# Altium PCB carboard.PcbDoc (part 2 of 4) (continued)
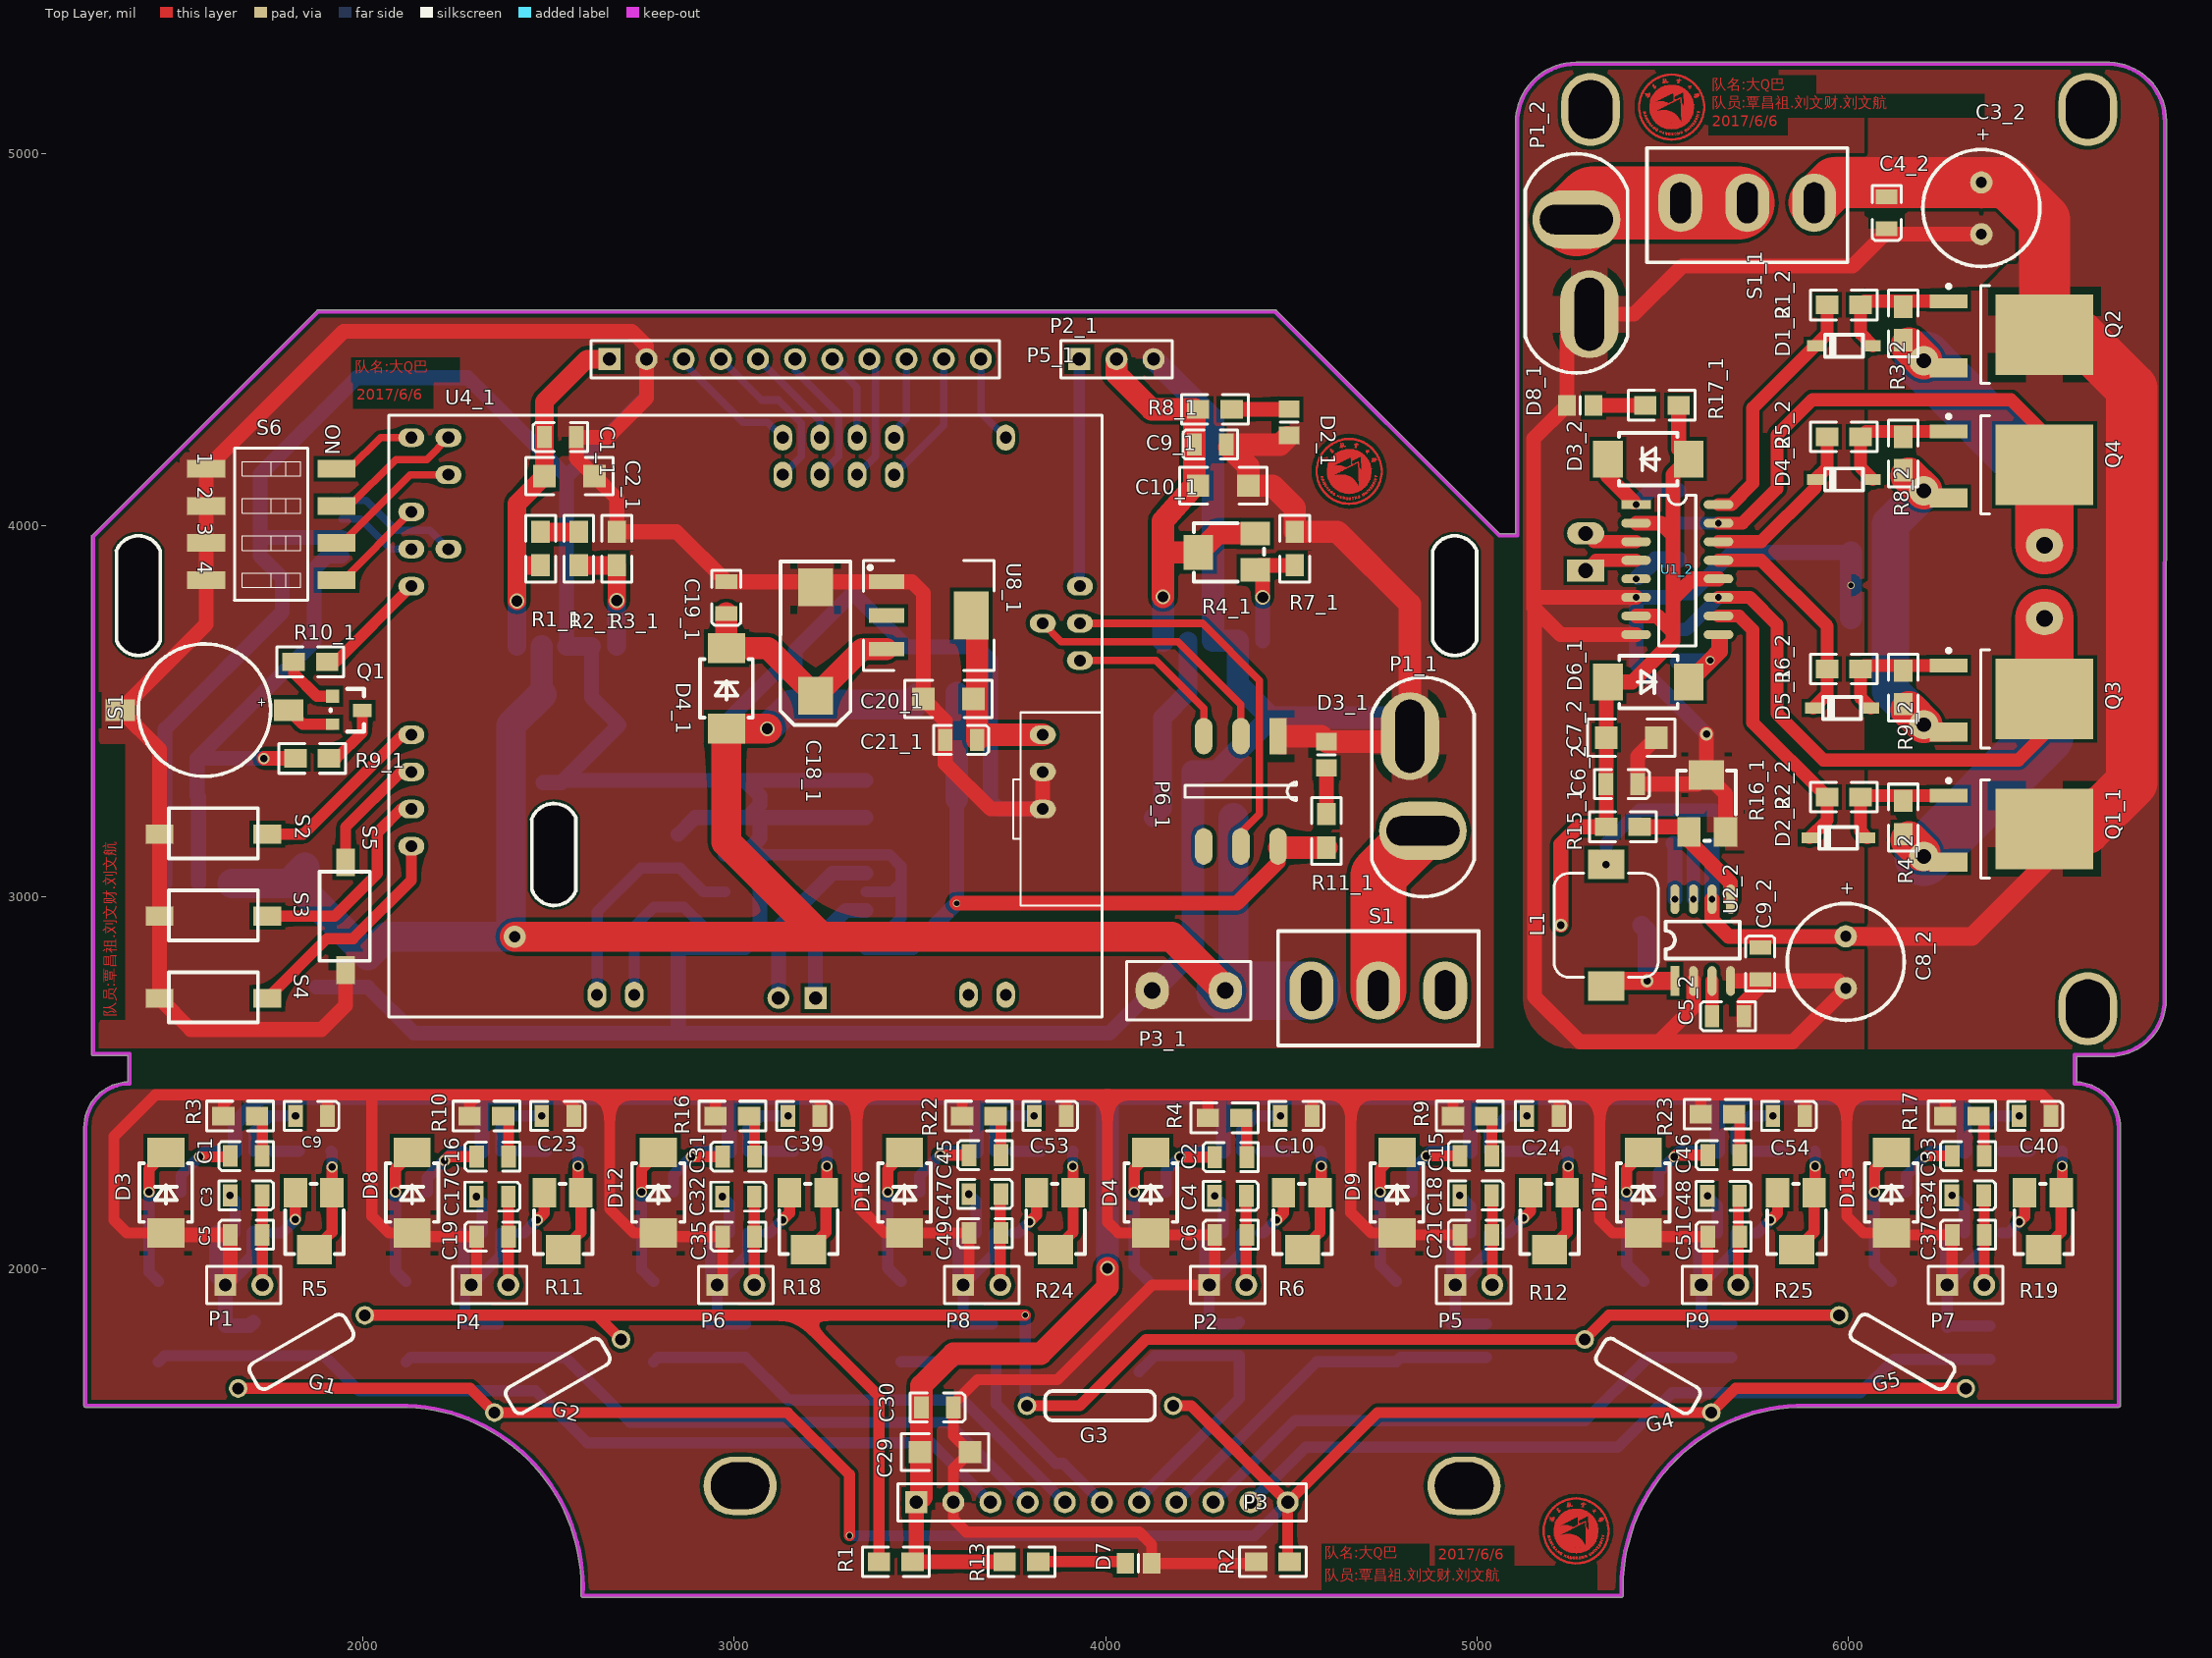
[diagram p0: Top Layer view]
## Nets (pads, with @x,y where several pads share a name; then routed paths per layer and width w, separated by ;. In a path a pad name is that pad's centre, name@x,y a point inside that pad or via, vN(x,y) a via of type N, cw(c..) or ccw(c..) an arc to the next point about the centre after c; other vN are vias at no path point) (continued)
; 4675.02,4169.8 4678.02,4169.8 ; 4675.02,4215.8 4677.02,4215.8 ; 4675.02,4216.8 4677.02,4216.8 ; 4675.02,4217.8 4677.02,4217.8 ; 4675.02,4221.8 4677.02,4221.8 ; 4675.02,4222.8 4676.02,4222.8 ; 4676.02,4063.8 4690.02,4063.8 ; 4676.02,4074.8 4677.02,4074.8 ; 4676.02,4218.8 4677.02,4218.8 ; 4676.02,4228.8 4690.02,4228.8 ; 4677.02,4170.8 4681.02,4170.8 ; 4679.02,4064.8 4692.02,4064.8 ; 4679.02,4075.8 4684.02,4075.8 ; 4679.02,4076.8 4680.02,4076.8 ; 4679.02,4077.8 4680.02,4077.8 ; 4679.02,4078.8 4680.02,4078.8 ; 4679.02,4079.8 4680.02,4079.8 ; 4679.02,4171.8 4681.02,4171.8 ; 4679.02,4217.8 4681.02,4217.8 ; 4679.02,4218.8 4681.02,4218.8 ; 4679.02,4227.8 4692.02,4227.8 ; 4680.02,4158.8 4682.02,4158.8 ; 4680.02,4160.8 4682.02,4160.8 ; 4680.02,4161.8 4682.02,4161.8 ; 4680.02,4162.8 4682.02,4162.8 ; 4680.02,4163.8 4682.02,4163.8 ; 4680.02,4164.8 4682.02,4164.8 ; 4680.02,4165.8 4682.02,4165.8 ; 4680.02,4166.8 4682.02,4166.8 ; 4680.02,4167.8 4682.02,4167.8 ; 4680.02,4168.8 4681.02,4168.8 ; 4680.02,4169.8 4681.02,4169.8 ; 4681.02,4074.8 4682.02,4074.8 ; 4681.02,4080.8 4683.02,4080.8 ; 4681.02,4121.8 4710.02,4121.8 ; 4681.02,4122.8 4710.02,4122.8 ; 4681.02,4123.8 4710.02,4123.8 ; 4681.02,4124.8 4712.02,4124.8 ; 4681.02,4125.8 4711.02,4125.8 ; 4681.02,4126.8 4712.02,4126.8 ; 4681.02,4127.8 4712.02,4127.8 ; 4681.02,4128.8 4712.02,4128.8 ; 4681.02,4129.8 4712.02,4129.8 ; 4681.02,4130.8 4714.02,4130.8 ; 4681.02,4131.8 4713.02,4131.8 ; 4681.02,4132.8 4713.02,4132.8 ; 4681.02,4133.8 4714.02,4133.8 ; 4681.02,4134.8 4714.02,4134.8 ; 4681.02,4135.8 4714.02,4135.8 ; 4681.02,4136.8 4714.02,4136.8 ; 4681.02,4137.8 4714.02,4137.8 ; 4681.02,4138.8 4714.02,4138.8 ; 4681.02,4139.8 4714.02,4139.8 ; 4681.02,4140.8 4715.02,4140.8 ; 4681.02,4141.8 4715.02,4141.8 ; 4681.02,4142.8 4715.02,4142.8 ; 4681.02,4143.8 4715.02,4143.8 ; 4681.02,4144.8 4715.02,4144.8 ; 4681.02,4145.8 4715.02,4145.8 ; 4681.02,4146.8 4715.02,4146.8 ; 4681.02,4147.8 4688.02,4147.8 ; 4681.02,4148.8 4688.02,4148.8 ; 4681.02,4149.8 4687.02,4149.8 ; 4681.02,4150.8 4686.02,4150.8 ; 4681.02,4151.8 4686.02,4151.8 ; 4681.02,4152.8 4685.02,4152.8 ; 4681.02,4153.8 4684.02,4153.8 ; 4681.02,4154.8 4683.02,4154.8 ; 4681.02,4155.8 4683.02,4155.8 ; 4681.02,4156.8 4682.02,4156.8 ; 4681.02,4157.8 4682.02,4157.8 ; 4681.02,4159.8 4682.02,4159.8 ; 4682.02,4077.8 4685.02,4077.8 ; 4682.02,4104.8 4698.02,4104.8 ; 4682.02,4105.8 4699.02,4105.8 ; 4682.02,4106.8 4700.02,4106.8 ; 4682.02,4107.8 4701.02,4107.8 ; 4682.02,4108.8 4701.02,4108.8 ; 4682.02,4109.8 4703.02,4109.8 ; 4682.02,4110.8 4703.02,4110.8 ; 4682.02,4111.8 4704.02,4111.8 ; 4682.02,4112.8 4705.02,4112.8 ; 4682.02,4113.8 4705.02,4113.8 ; 4682.02,4114.8 4706.02,4114.8 ; 4682.02,4115.8 4707.02,4115.8 ; 4682.02,4116.8 4707.02,4116.8 ; 4682.02,4117.8 4709.02,4117.8 ; 4682.02,4118.8 4708.02,4118.8 ; 4682.02,4119.8 4709.02,4119.8 ; 4682.02,4120.8 4709.02,4120.8 ; 4683.02,4065.8 4694.02,4065.8 ; 4683.02,4076.8 4685.02,4076.8 ; 4683.02,4078.8 4684.02,4078.8 ; 4683.02,4226.8 4694.02,4226.8 ; 4685.02,4066.8 4696.02,4066.8 ; 4685.02,4225.8 4696.02,4225.8 ; 4688.02,4067.8 4698.02,4067.8 ; 4688.02,4169.8 4710.02,4169.8 ; 4688.02,4170.8 4710.02,4170.8 ; 4688.02,4171.8 4709.02,4171.8 ; 4688.02,4172.8 4709.02,4172.8 ; 4688.02,4173.8 4708.02,4173.8 ; 4688.02,4174.8 4708.02,4174.8 ; 4688.02,4175.8 4707.02,4175.8 ; 4688.02,4176.8 4707.02,4176.8 ; 4688.02,4177.8 4706.02,4177.8 ; 4688.02,4178.8 4705.02,4178.8 ; 4688.02,4179.8 4705.02,4179.8 ; 4688.02,4180.8 4704.02,4180.8 ; 4688.02,4181.8 4703.02,4181.8 ; 4688.02,4182.8 4702.02,4182.8 ; 4688.02,4183.8 4701.02,4183.8 ; 4688.02,4184.8 4701.02,4184.8 ; 4688.02,4185.8 4700.02,4185.8 ; 4688.02,4186.8 4699.02,4186.8 ; 4688.02,4224.8 4698.02,4224.8 ; 4689.02,4147.8 4715.02,4147.8 ; 4689.02,4148.8 4715.02,4148.8 ; 4689.02,4149.8 4715.02,4149.8 ; 4689.02,4150.8 4715.02,4150.8 ; 4689.02,4151.8 4715.02,4151.8 ; 4689.02,4152.8 4716.02,4152.8 ; 4689.02,4153.8 4714.02,4153.8 ; 4689.02,4154.8 4714.02,4154.8 ; 4689.02,4155.8 4714.02,4155.8 ; 4689.02,4156.8 4714.02,4156.8 ; 4689.02,4157.8 4714.02,4157.8 ; 4689.02,4158.8 4714.02,4158.8 ; 4689.02,4159.8 4714.02,4159.8 ; 4689.02,4160.8 4713.02,4160.8 ; 4689.02,4161.8 4713.02,4161.8 ; 4689.02,4162.8 4712.02,4162.8 ; 4689.02,4163.8 4713.02,4163.8 ; 4689.02,4164.8 4712.02,4164.8 ; 4689.02,4165.8 4712.02,4165.8 ; 4689.02,4166.8 4712.02,4166.8 ; 4689.02,4167.8 4711.02,4167.8 ; 4689.02,4168.8 4711.02,4168.8 ; 4690.02,4068.8 4699.02,4068.8 ; 4690.02,4082.8 4692.02,4082.8 ; 4690.02,4083.8 4691.02,4083.8 ; 4690.02,4084.8 4691.02,4084.8 ; 4690.02,4223.8 4699.02,4223.8 ; 4691.02,4081.8 4692.02,4081.8 ; 4692.02,4080.8 4695.02,4080.8 ; 4693.02,4069.8 4702.02,4069.8 ; 4693.02,4085.8 4695.02,4085.8 ; 4693.02,4086.8 4694.02,4086.8 ; 4693.02,4222.8 4701.02,4222.8 ; 4694.02,4070.8 4703.02,4070.8 ; 4694.02,4083.8 4696.02,4083.8 ; 4694.02,4084.8 4696.02,4084.8 ; 4694.02,4221.8 4703.02,4221.8 ; 4695.02,4081.8 4696.02,4081.8 ; 4695.02,4082.8 4696.02,4082.8 ; 4696.02,4088.8 4700.02,4088.8 ; 4697.02,4071.8 4705.02,4071.8 ; 4697.02,4087.8 4698.02,4087.8 ; 4697.02,4102.8 4698.02,4102.8 ; 4697.02,4220.8 4705.02,4220.8 ; 4698.02,4072.8 4706.02,4072.8 ; 4698.02,4085.8 4700.02,4085.8 ; 4698.02,4086.8 4699.02,4086.8 ; 4698.02,4219.8 4706.02,4219.8 ; 4699.02,4073.8 4707.02,4073.8 ; 4699.02,4084.8 4700.02,4084.8 ; 4699.02,4087.8 4701.02,4087.8 ; 4699.02,4218.8 4707.02,4218.8 ; 4700.02,4090.8 4701.02,4090.8 ; 4700.02,4091.8 4701.02,4091.8 ; 4700.02,4198.8 4703.02,4198.8 ; 4700.02,4199.8 4708.02,4199.8 ; 4701.02,4074.8 4709.02,4074.8 ; 4701.02,4088.8 4703.02,4088.8 ; 4701.02,4089.8 4702.02,4089.8 ; 4701.02,4201.8 4703.02,4201.8 ; 4701.02,4202.8 4702.02,4202.8 ; 4701.02,4217.8 4709.02,4217.8 ; 4702.02,4086.8 4703.02,4086.8 ; 4702.02,4087.8 4704.02,4087.8 ; 4702.02,4108.8 4703.02,4108.8 ; 4703.02,4075.8 4710.02,4075.8 ; 4703.02,4093.8 4705.02,4093.8 ; 4703.02,4094.8 4704.02,4094.8 ; 4703.02,4194.8 4704.02,4194.8 ; 4703.02,4195.8 4704.02,4195.8 ; 4703.02,4196.8 4704.02,4196.8 ; 4703.02,4200.8 4706.02,4200.8 ; 4703.02,4216.8 4710.02,4216.8 ; 4704.02,4076.8 4712.02,4076.8 ; 4704.02,4092.8 4705.02,4092.8 ; 4705.02,4091.8 4706.02,4091.8 ; 4705.02,4201.8 4706.02,4201.8 ; 4705.02,4214.8 4712.02,4214.8 ; 4705.02,4215.8 4711.02,4215.8 ; 4706.02,4077.8 4712.02,4077.8 ; 4706.02,4090.8 4708.02,4090.8 ; 4706.02,4096.8 4708.02,4096.8 ; 4706.02,4198.8 4708.02,4198.8 ; 4706.02,4202.8 4708.02,4202.8 ; 4707.02,4095.8 4710.02,4095.8 ; 4707.02,4203.8 4708.02,4203.8 ; 4707.02,4213.8 4714.02,4213.8 ; 4708.02,4078.8 4714.02,4078.8 ; 4708.02,4079.8 4714.02,4079.8 ; 4708.02,4099.8 4710.02,4099.8 ; 4708.02,4212.8 4715.02,4212.8 ; 4709.02,4094.8 4712.02,4094.8 ; 4709.02,4098.8 4710.02,4098.8 ; 4710.02,4080.8 4717.02,4080.8 ; 4710.02,4096.8 4711.02,4096.8 ; 4710.02,4097.8 4711.02,4097.8 ; 4710.02,4211.8 4716.02,4211.8 ; 4711.02,4081.8 4717.02,4081.8 ; 4711.02,4095.8 4712.02,4095.8 ; 4711.02,4102.8 4712.02,4102.8 ; 4711.02,4210.8 4717.02,4210.8 ; 4712.02,4082.8 4718.02,4082.8 ; 4712.02,4101.8 4714.02,4101.8 ; 4712.02,4103.8 4713.02,4103.8 ; 4712.02,4209.8 4719.02,4209.8 ; 4713.02,4083.8 4719.02,4083.8 ; 4713.02,4100.8 4715.02,4100.8 ; 4713.02,4104.8 4714.02,4104.8 ; 4713.02,4208.8 4719.02,4208.8 ; 4714.02,4084.8 4720.02,4084.8 ; 4714.02,4099.8 4716.02,4099.8 ; 4714.02,4102.8 4715.02,4102.8 ; 4714.02,4207.8 4720.02,4207.8 ; 4715.02,4085.8 4721.02,4085.8 ; 4715.02,4098.8 4716.02,4098.8 ; 4715.02,4107.8 4717.02,4107.8 ; 4715.02,4108.8 4716.02,4108.8 ; 4715.02,4173.8 4716.02,4173.8 ; 4715.02,4206.8 4721.02,4206.8 ; 4716.02,4086.8 4722.02,4086.8 ; 4716.02,4100.8 4717.02,4100.8 ; 4716.02,4106.8 4719.02,4106.8 ; 4716.02,4109.8 4717.02,4109.8 ; 4716.02,4172.8 4721.02,4172.8 ; 4716.02,4205.8 4722.02,4205.8 ; 4717.02,4087.8 4723.02,4087.8 ; 4717.02,4101.8 4718.02,4101.8 ; 4717.02,4110.8 4719.02,4110.8 ; 4717.02,4171.8 4718.02,4171.8 ; 4717.02,4174.8 4720.02,4174.8 ; 4717.02,4175.8 4718.02,4175.8 ; 4717.02,4179.8 4720.02,4179.8 ; 4717.02,4204.8 4723.02,4204.8 ; 4718.02,4088.8 4724.02,4088.8 ; 4718.02,4105.8 4721.02,4105.8 ; 4718.02,4107.8 4719.02,4107.8 ; 4718.02,4108.8 4722.02,4108.8 ; 4718.02,4109.8 4719.02,4109.8 ; 4718.02,4173.8 4721.02,4173.8 ; 4718.02,4180.8 4720.02,4180.8 ; 4718.02,4203.8 4723.02,4203.8 ; 4719.02,4089.8 4725.02,4089.8 ; 4719.02,4104.8 4720.02,4104.8 ; 4719.02,4113.8 4722.02,4113.8 ; 4719.02,4114.8 4720.02,4114.8 ; 4719.02,4115.8 4720.02,4115.8 ; 4719.02,4176.8 4722.02,4176.8 ; 4719.02,4202.8 4725.02,4202.8 ; 4720.02,4090.8 4725.02,4090.8 ; 4720.02,4116.8 4722.02,4116.8 ; 4720.02,4201.8 4725.02,4201.8 ; 4721.02,4091.8 4726.02,4091.8 ; 4721.02,4092.8 4727.02,4092.8 ; 4721.02,4107.8 4722.02,4107.8 ; 4721.02,4114.8 4723.02,4114.8 ; 4721.02,4120.8 4724.02,4120.8 ; 4721.02,4171.8 4722.02,4171.8 ; 4721.02,4174.8 4726.02,4174.8 ; 4721.02,4175.8 4726.02,4175.8 ; 4721.02,4178.8 4730.02,4178.8 ; 4721.02,4179.8 4722.02,4179.8 ; 4721.02,4180.8 4723.02,4180.8 ; 4721.02,4199.8 4727.02,4199.8 ; 4721.02,4200.8 4726.02,4200.8 ; 4722.02,4115.8 4725.02,4115.8 ; 4722.02,4177.8 4728.02,4177.8 ; 4722.02,4198.8 4728.02,4198.8 ; 4723.02,4093.8 4728.02,4093.8 ; 4723.02,4094.8 4728.02,4094.8 ; 4723.02,4111.8 4724.02,4111.8 ; 4723.02,4112.8 4725.02,4112.8 ; 4723.02,4123.8 4724.02,4123.8 ; 4723.02,4124.8 4724.02,4124.8 ; 4723.02,4125.8 4728.02,4125.8 ; 4723.02,4176.8 4729.02,4176.8 ; 4723.02,4179.8 4729.02,4179.8 ; 4723.02,4181.8 4727.02,4181.8 ; 4723.02,4196.8 4729.02,4196.8 ; 4723.02,4197.8 4728.02,4197.8 ; 4724.02,4095.8 4729.02,4095.8 ; 4724.02,4113.8 4725.02,4113.8 ; 4724.02,4114.8 4725.02,4114.8 ; 4724.02,4119.8 4728.02,4119.8 ; 4724.02,4126.8 4725.02,4126.8 ; 4724.02,4127.8 4725.02,4127.8 ; 4724.02,4173.8 4727.02,4173.8 ; 4724.02,4180.8 4726.02,4180.8 ; 4725.02,4096.8 4730.02,4096.8 ; 4725.02,4097.8 4730.02,4097.8 ; 4725.02,4124.8 4730.02,4124.8 ; 4725.02,4131.8 4731.02,4131.8 ; 4725.02,4134.8 4727.02,4134.8 ; 4725.02,4172.8 4726.02,4172.8 ; 4725.02,4194.8 4730.02,4194.8 ; 4725.02,4195.8 4730.02,4195.8 ; 4726.02,4098.8 4731.02,4098.8 ; 4726.02,4118.8 4727.02,4118.8 ; 4726.02,4133.8 4728.02,4133.8 ; 4726.02,4193.8 4731.02,4193.8 ; 4727.02,4099.8 4732.02,4099.8 ; 4727.02,4192.8 4732.02,4192.8 ; 4728.02,4100.8 4732.02,4100.8 ; 4728.02,4101.8 4733.02,4101.8 ; 4728.02,4132.8 4731.02,4132.8 ; 4728.02,4180.8 4729.02,4180.8 ; 4728.02,4190.8 4733.02,4190.8 ; 4728.02,4191.8 4732.02,4191.8 ; 4729.02,4102.8 4734.02,4102.8 ; 4729.02,4103.8 4734.02,4103.8 ; 4729.02,4177.8 4730.02,4177.8 ; 4729.02,4188.8 4734.02,4188.8 ; 4729.02,4189.8 4734.02,4189.8 ; 4730.02,4104.8 4734.02,4104.8 ; 4730.02,4105.8 4735.02,4105.8 ; 4730.02,4186.8 4735.02,4186.8 ; 4730.02,4187.8 4734.02,4187.8 ; 4731.02,4106.8 4736.02,4106.8 ; 4731.02,4107.8 4736.02,4107.8 ; 4731.02,4184.8 4736.02,4184.8 ; 4731.02,4185.8 4735.02,4185.8 ; 4732.02,4108.8 4737.02,4108.8 ; 4732.02,4109.8 4737.02,4109.8 ; 4732.02,4182.8 4737.02,4182.8 ; 4732.02,4183.8 4737.02,4183.8 ; 4733.02,4110.8 4737.02,4110.8 ; 4733.02,4111.8 4738.02,4111.8 ; 4733.02,4180.8 4738.02,4180.8 ; 4733.02,4181.8 4737.02,4181.8 ; 4734.02,4112.8 4738.02,4112.8 ; 4734.02,4113.8 4739.02,4113.8 ; 4734.02,4114.8 4739.02,4114.8 ; 4734.02,4177.8 4739.02,4177.8 ; 4734.02,4178.8 4739.02,4178.8 ; 4734.02,4179.8 4738.02,4179.8 ; 4735.02,4115.8 4739.02,4115.8 ; 4735.02,4116.8 4740.02,4116.8 ; 4735.02,4175.8 4740.02,4175.8 ; 4735.02,4176.8 4739.02,4176.8 ; 4736.02,4117.8 4740.02,4117.8 ; 4736.02,4118.8 4741.02,4118.8 ; 4736.02,4172.8 4741.02,4172.8 ; 4736.02,4173.8 4741.02,4173.8 ; 4736.02,4174.8 4740.02,4174.8 ; 4737.02,4119.8 4741.02,4119.8 ; 4737.02,4120.8 4741.02,4120.8 ; 4737.02,4121.8 4741.02,4121.8 ; 4737.02,4122.8 4742.02,4122.8 ; 4737.02,4123.8 4742.02,4123.8 ; 4737.02,4169.8 4742.02,4169.8 ; 4737.02,4170.8 4741.02,4170.8 ; 4737.02,4171.8 4741.02,4171.8 ; 4738.02,4124.8 4742.02,4124.8 ; 4738.02,4125.8 4742.02,4125.8 ; 4738.02,4126.8 4743.02,4126.8 ; 4738.02,4166.8 4743.02,4166.8 ; 4738.02,4167.8 4742.02,4167.8 ; 4738.02,4168.8 4742.02,4168.8 ; 4739.02,4127.8 4743.02,4127.8 ; 4739.02,4128.8 4743.02,4128.8 ; 4739.02,4129.8 4743.02,4129.8 ; 4739.02,4130.8 4743.02,4130.8 ; 4739.02,4131.8 4744.02,4131.8 ; 4739.02,4132.8 4744.02,4132.8 ; 4739.02,4159.8 4744.02,4159.8 ; 4739.02,4160.8 4744.02,4160.8 ; 4739.02,4161.8 4743.02,4161.8 ; 4739.02,4162.8 4743.02,4162.8 ; 4739.02,4163.8 4743.02,4163.8 ; 4739.02,4164.8 4743.02,4164.8 ; 4739.02,4165.8 4743.02,4165.8 ; 4740.02,4133.8 4744.02,4133.8 ; 4740.02,4134.8 4744.02,4134.8 ; 4740.02,4135.8 4744.02,4135.8 ; 4740.02,4136.8 4744.02,4136.8 ; 4740.02,4137.8 4745.02,4137.8 ; 4740.02,4138.8 4745.02,4138.8 ; 4740.02,4139.8 4745.02,4139.8 ; 4740.02,4140.8 4745.02,4140.8 ; 4740.02,4150.8 4745.02,4150.8 ; 4740.02,4152.8 4745.02,4152.8 ; 4740.02,4153.8 4745.02,4153.8 ; 4740.02,4154.8 4745.02,4154.8 ; 4740.02,4155.8 4744.02,4155.8 ; 4740.02,4156.8 4744.02,4156.8 ; 4740.02,4157.8 4744.02,4157.8 ; 4740.02,4158.8 4744.02,4158.8 ; 4741.02,4141.8 4745.02,4141.8 ; 4741.02,4142.8 4745.02,4142.8 ; 4741.02,4143.8 4745.02,4143.8 ; 4741.02,4144.8 4745.02,4144.8 ; 4741.02,4145.8 4745.02,4145.8 ; 4741.02,4146.8 4745.02,4146.8 ; 4741.02,4147.8 4745.02,4147.8 ; 4741.02,4148.8 4745.02,4148.8 ; 4741.02,4149.8 4745.02,4149.8 ; 4741.02,4151.8 4745.02,4151.8 ; 5177,1283 5182,1283 ; 5177,1284 5182,1284 ; 5177,1285 5181,1285 ; 5177,1286 5181,1286 ; 5177,1287 5181,1287 ; 5177,1288 5181,1288 ; 5177,1289 5181,1289 ; 5177,1290 5181,1290 ; 5177,1291 5181,1291 ; 5177,1292 5181,1292 ; 5177,1293 5181,1293 ; 5177,1294 5181,1294 ; 5177,1295 5181,1295 ; 5177,1296 5181,1296 ; 5177,1297 5181,1297 ; 5177,1298 5181,1298 ; 5177,1299 5181,1299 ; 5177,1300 5181,1300 ; 5177,1301 5181,1301 ; 5177,1302 5181,1302 ; 5177,1303 5182,1303 ; 5177,1304 5182,1304 ; 5178,1278 5183,1278 ; 5178,1279 5182,1279 ; 5178,1280 5182,1280 ; 5178,1281 5182,1281 ; 5178,1282 5182,1282 ; 5178,1305 5182,1305 ; 5178,1306 5182,1306 ; 5178,1307 5182,1307 ; 5178,1308 5182,1308 ; 5178,1309 5183,1309 ; 5179,1272 5184,1272 ; 5179,1273 5184,1273 ; 5179,1274 5183,1274 ; 5179,1275 5183,1275 ; 5179,1276 5183,1276 ; 5179,1277 5183,1277 ; 5179,1310 5183,1310 ; 5179,1311 5183,1311 ; 5179,1312 5183,1312 ; 5179,1313 5183,1313 ; 5179,1314 5184,1314 ; 5179,1315 5184,1315 ; 5180,1269 5185,1269 ; 5180,1270 5184,1270 ; 5180,1271 5184,1271 ; 5180,1316 5184,1316 ; 5180,1317 5184,1317 ; 5180,1318 5185,1318 ; 5181,1265 5186,1265 ; 5181,1266 5186,1266 ; 5181,1267 5185,1267 ; 5181,1268 5185,1268 ; 5181,1319 5185,1319 ; 5181,1320 5185,1320 ; 5181,1321 5185,1321 ; 5182,1263 5187,1263 ; 5182,1264 5186,1264 ; 5182,1322 5186,1322 ; 5182,1323 5186,1323 ; 5182,1324 5187,1324 ; 5183,1260 5188,1260 ; 5183,1261 5188,1261 ; 5183,1262 5187,1262 ; 5183,1325 5187,1325 ; 5183,1326 5188,1326 ; 5183,1327 5188,1327 ; 5184,1258 5189,1258 ; 5184,1259 5188,1259 ; 5184,1328 5188,1328 ; 5184,1329 5189,1329 ; 5185,1255 5190,1255 ; 5185,1256 5190,1256 ; 5185,1257 5190,1257 ; 5185,1330 5190,1330 ; 5185,1331 5190,1331 ; 5185,1332 5190,1332 ; 5186,1254 5191,1254 ; 5186,1333 5191,1333 ; 5187,1252 5192,1252 ; 5187,1253 5192,1253 ; 5187,1334 5192,1334 ; 5187,1335 5192,1335 ; 5188,1250 5193,1250 ; 5188,1251 5193,1251 ; 5188,1336 5192,1336 ; 5188,1337 5193,1337 ; 5189,1249 5194,1249 ; 5189,1338 5194,1338 ; 5189,1339 5194,1339 ; 5190,1247 5195,1247 ; 5190,1248 5194,1248 ; 5190,1279 5192,1279 ; 5190,1280 5196,1280 ; 5190,1340 5195,1340 ; 5191,1245 5196,1245 ; 5191,1246 5196,1246 ; 5191,1275 5194,1275 ; 5191,1276 5193,1276 ; 5191,1341 5196,1341 ; 5192,1244 5197,1244 ; 5192,1271 5199,1271 ; 5192,1277 5194,1277 ; 5192,1342 5196,1342 ; 5192,1343 5197,1343 ; 5193,1242 5199,1242 ; 5193,1243 5198,1243 ; 5193,1278 5194,1278 ; 5193,1344 5198,1344 ; 5193,1345 5199,1345 ; 5194,1241 5199,1241 ; 5194,1267 5195,1267 ; 5194,1268 5196,1268 ; 5194,1269 5198,1269 ; 5194,1270 5195,1270 ; 5194,1276 5197,1276 ; 5194,1279 5196,1279 ; 5194,1330 5197,1330 ; 5194,1346 5199,1346 ; 5195,1239 5201,1239 ; 5195,1240 5200,1240 ; 5195,1263 5197,1263 ; 5195,1347 5200,1347 ; 5196,1238 5202,1238 ; 5196,1264 5199,1264 ; 5196,1322 5197,1322 ; 5196,1323 5197,1323 ; 5196,1324 5198,1324 ; 5196,1325 5198,1325 ; 5196,1329 5200,1329 ; 5196,1348 5201,1348 ; 5196,1349 5202,1349 ; 5197,1237 5203,1237 ; 5197,1259 5199,1259 ; 5197,1260 5200,1260 ; 5197,1270 5199,1270 ; 5197,1326 5198,1326 ; 5197,1327 5199,1327 ; 5197,1328 5199,1328 ; 5197,1350 5203,1350 ; 5198,1236 5204,1236 ; 5198,1261 5199,1261 ; 5198,1262 5199,1262 ; 5198,1351 5203,1351 ; 5199,1235 5205,1235 ; 5199,1263 5201,1263 ; 5199,1265 5201,1265 ; 5199,1325 5202,1325 ; 5199,1326 5204,1326 ; 5199,1330 5200,1330 ; 5199,1352 5205,1352 ; 5200,1234 5206,1234 ; 5200,1254 5201,1254 ; 5200,1255 5201,1255 ; 5200,1256 5202,1256 ; 5200,1261 5203,1261 ; 5200,1264 5201,1264 ; 5200,1266 5201,1266 ; 5200,1322 5201,1322 ; 5200,1323 5207,1323 ; 5200,1324 5202,1324 ; 5200,1353 5206,1353 ; 5201,1233 5207,1233 ; 5201,1253 5203,1253 ; 5201,1257 5206,1257 ; 5201,1320 5203,1320 ; 5201,1321 5204,1321 ; 5201,1327 5204,1327 ; 5201,1328 5204,1328 ; 5201,1354 5207,1354 ; 5202,1232 5208,1232 ; 5202,1262 5203,1262 ; 5202,1319 5203,1319 ; 5202,1355 5208,1355 ; 5202,1356 5209,1356 ; 5203,1230 5210,1230 ; 5203,1231 5209,1231 ; 5203,1258 5205,1258 ; 5203,1322 5207,1322 ; 5203,1324 5205,1324 ; 5203,1325 5205,1325 ; 5203,1329 5205,1329 ; 5203,1357 5210,1357 ; 5204,1249 5205,1249 ; 5204,1330 5205,1330 ; 5205,1228 5212,1228 ; 5205,1229 5211,1229 ; 5205,1250 5208,1250 ; 5205,1254 5206,1254 ; 5205,1255 5206,1255 ; 5205,1256 5206,1256 ; 5205,1331 5208,1331 ; 5205,1358 5211,1358 ; 5205,1359 5212,1359 ; 5206,1246 5208,1246 ; 5206,1251 5208,1251 ; 5206,1326 5208,1326 ; 5206,1327 5208,1327 ; 5206,1330 5208,1330 ; 5207,1227 5213,1227 ; 5207,1247 5208,1247 ; 5207,1249 5208,1249 ; 5207,1281 5219,1281 ; 5207,1285 5227,1285 ; 5207,1286 5228,1286 ; 5207,1287 5231,1287 ; 5207,1288 5232,1288 ; 5207,1289 5234,1289 ; 5207,1290 5236,1290 ; 5207,1291 5238,1291 ; 5207,1292 5241,1292 ; 5207,1293 5242,1293 ; 5207,1294 5244,1294 ; 5207,1295 5246,1295 ; 5207,1296 5249,1296 ; 5207,1297 5250,1297 ; 5207,1298 5252,1298 ; 5207,1299 5254,1299 ; 5207,1300 5256,1300 ; 5207,1301 5258,1301 ; 5207,1302 5260,1302 ; 5207,1328 5208,1328 ; 5207,1329 5208,1329 ; 5207,1360 5214,1360 ; 5208,1226 5214,1226 ; 5208,1248 5210,1248 ; 5208,1252 5209,1252 ; 5208,1279 5268,1279 ; 5208,1280 5216,1280 ; 5208,1282 5221,1282 ; 5208,1283 5223,1283 ; 5208,1284 5224,1284 ; 5208,1303 5257,1303 ; 5208,1304 5256,1304 ; 5208,1305 5254,1305 ; 5208,1306 5252,1306 ; 5208,1307 5221,1307 ; 5208,1308 5222,1308 ; 5208,1361 5214,1361 ; 5209,1225 5216,1225 ; 5209,1243 5212,1243 ; 5209,1249 5211,1249 ; 5209,1276 5273,1276 ; 5209,1277 5272,1277 ; 5209,1278 5271,1278 ; 5209,1309 5225,1309 ; 5209,1310 5226,1310 ; 5209,1311 5228,1311 ; 5209,1312 5230,1312 ; 5209,1362 5216,1362 ; 5210,1224 5217,1224 ; 5210,1273 5277,1273 ; 5210,1274 5276,1274 ; 5210,1275 5275,1275 ; 5210,1313 5232,1313 ; 5210,1314 5234,1314 ; 5210,1315 5236,1315 ; 5210,1317 5211,1317 ; 5210,1363 5217,1363 ; 5211,1242 5214,1242 ; 5211,1244 5215,1244 ; 5211,1271 5279,1271 ; 5211,1272 5278,1272 ; 5211,1316 5238,1316 ; 5212,1223 5219,1223 ; 5212,1239 5213,1239 ; 5212,1240 5213,1240 ; 5212,1241 5214,1241 ; 5212,1268 5282,1268 ; 5212,1269 5281,1269 ; 5212,1270 5280,1270 ; 5212,1317 5240,1317 ; 5212,1318 5242,1318 ; 5212,1319 5244,1319 ; 5212,1321 5213,1321 ; 5212,1364 5219,1364 ; 5213,1222 5220,1222 ; 5213,1245 5215,1245 ; 5213,1267 5283,1267 ; 5213,1320 5246,1320 ; 5213,1365 5220,1365 ; 5214,1221 5222,1221 ; 5214,1243 5215,1243 ; 5214,1265 5284,1265 ; 5214,1266 5283,1266 ; 5214,1321 5248,1321 ; 5214,1322 5250,1322 ; 5214,1323 5252,1323 ; 5214,1366 5223,1366 ; 5215,1237 5216,1237 ; 5215,1263 5285,1263 ; 5215,1264 5285,1264 ; 5215,1324 5253,1324 ; 5215,1350 5217,1350 ; 5215,1353 5219,1353 ; 5216,1220 5223,1220 ; 5216,1238 5217,1238 ; 5216,1261 5287,1261 ; 5216,1262 5286,1262 ; 5216,1325 5256,1325 ; 5216,1326 5257,1326 ; 5216,1349 5217,1349 ; 5216,1351 5219,1351 ; 5216,1354 5218,1354 ; 5216,1367 5223,1367 ; 5217,1219 5225,1219 ; 5217,1239 5220,1239 ; 5217,1240 5220,1240 ; 5217,1260 5288,1260 ; 5217,1327 5260,1327 ; 5217,1348 5221,1348 ; 5217,1352 5219,1352 ; 5217,1368 5225,1368 ; 5218,1234 5220,1234 ; 5218,1235 5221,1235 ; 5218,1236 5219,1236 ; 5218,1259 5288,1259 ; 5218,1280 5267,1280 ; 5218,1328 5261,1328 ; 5218,1347 5221,1347 ; 5218,1349 5220,1349 ; 5218,1350 5219,1350 ; 5219,1218 5228,1218 ; 5219,1238 5220,1238 ; 5219,1257 5290,1257 ; 5219,1258 5289,1258 ; 5219,1329 5264,1329 ; 5219,1330 5265,1330 ; 5219,1344 5223,1344 ; 5219,1345 5221,1345 ; 5219,1346 5220,1346 ; 5219,1369 5227,1369 ; 5220,1217 5229,1217 ; 5220,1236 5221,1236 ; 5220,1256 5290,1256 ; 5220,1331 5268,1331 ; 5220,1370 5229,1370 ; 5221,1237 5222,1237 ; 5221,1255 5290,1255 ; 5221,1332 5270,1332 ; 5221,1346 5224,1346 ; 5221,1349 5224,1349 ; 5222,1216 5232,1216 ; 5222,1238 5223,1238 ; 5222,1254 5291,1254 ; 5222,1281 5264,1281 ; 5222,1333 5295,1333 ; 5222,1345 5223,1345 ; 5222,1347 5224,1347 ; 5222,1348 5224,1348 ; 5222,1371 5232,1371 ; 5223,1215 5233,1215 ; 5223,1231 5224,1231 ; 5223,1232 5224,1232 ; 5223,1233 5224,1233 ; 5223,1234 5225,1234 ; 5223,1252 5256,1252 ; 5223,1253 5292,1253 ; 5223,1334 5297,1334 ; 5223,1335 5309,1335 ; 5223,1372 5233,1372 ; 5224,1230 5225,1230 ; 5224,1235 5228,1235 ; 5225,1229 5227,1229 ; 5225,1232 5227,1232 ; 5225,1250 5256,1250 ; 5225,1251 5255,1251 ; 5225,1282 5262,1282 ; 5225,1307 5248,1307 ; 5225,1336 5308,1336 ; 5225,1337 5307,1337 ; 5226,1214 5236,1214 ; 5226,1230 5228,1230 ; 5226,1231 5228,1231 ; 5226,1373 5236,1373 ; 5227,1249 5256,1249 ; 5227,1338 5305,1338 ; 5227,1339 5305,1339 ; 5228,1213 5239,1213 ; 5228,1233 5229,1233 ; 5228,1234 5229,1234 ; 5228,1248 5256,1248 ; 5228,1374 5239,1374 ; 5229,1247 5255,1247 ; 5229,1308 5245,1308 ; 5229,1340 5303,1340 ; 5230,1212 5243,1212 ; 5230,1246 5255,1246 ; 5230,1341 5302,1341 ; 5230,1375 5243,1375 ; 5231,1283 5258,1283 ; 5232,1211 5245,1211 ; 5232,1245 5302,1245 ; 5232,1342 5301,1342 ; 5232,1376 5245,1376 ; 5233,1225 5234,1225 ; 5233,1244 5300,1244 ; 5233,1343 5300,1343 ; 5234,1226 5235,1226 ; 5234,1227 5237,1227 ; 5235,1210 5251,1210 ; 5235,1228 5236,1228 ; 5235,1229 5236,1229 ; 5235,1243 5298,1243 ; 5235,1344 5297,1344 ; 5235,1377 5251,1377 ; 5236,1242 5296,1242 ; 5236,1345 5296,1345 ; 5237,1209 5257,1209 ; 5237,1224 5238,1224 ; 5237,1225 5239,1225 ; 5237,1226 5239,1226 ; 5237,1284 5253,1284 ; 5237,1378 5257,1378 ; 5238,1227 5239,1227 ; 5238,1241 5295,1241 ; 5238,1346 5295,1346 ; 5239,1228 5240,1228 ; 5240,1208 5293,1208 ; 5240,1240 5292,1240 ; 5241,1222 5242,1222 ; 5241,1223 5244,1223 ; 5241,1347 5293,1347 ; 5241,1358 5243,1358 ; 5241,1359 5243,1359 ; 5241,1379 5292,1379 ; 5242,1224 5243,1224 ; 5242,1239 5290,1239 ; 5242,1348 5290,1348 ; 5243,1222 5246,1222 ; 5243,1225 5244,1225 ; 5243,1360 5248,1360 ; 5243,1361 5248,1361 ; 5243,1364 5247,1364 ; 5243,1365 5247,1365 ; 5243,1369 5246,1369 ; 5244,1207 5289,1207 ; 5244,1226 5246,1226 ; 5244,1359 5246,1359 ; 5244,1362 5248,1362 ; 5244,1363 5248,1363 ; 5244,1366 5246,1366 ; 5244,1367 5245,1367 ; 5244,1368 5246,1368 ; 5245,1220 5246,1220 ; 5245,1221 5246,1221 ; 5245,1223 5246,1223 ; 5245,1224 5246,1224 ; 5245,1225 5246,1225 ; 5245,1238 5287,1238 ; 5245,1349 5288,1349 ; 5245,1358 5246,1358 ; 5245,1380 5288,1380 ; 5247,1237 5285,1237 ; 5247,1350 5285,1350 ; 5247,1358 5249,1358 ; 5247,1359 5248,1359 ; 5247,1381 5285,1381 ; 5248,1206 5285,1206 ; 5248,1364 5252,1364 ; 5248,1369 5251,1369 ; 5249,1219 5250,1219 ; 5249,1220 5250,1220 ; 5249,1221 5250,1221 ; 5249,1222 5250,1222 ; 5249,1361 5250,1361 ; 5249,1362 5252,1362 ; 5249,1365 5252,1365 ; 5250,1224 5252,1224 ; 5250,1225 5252,1225 ; 5250,1363 5252,1363 ; 5250,1366 5252,1366 ; 5250,1368 5251,1368 ; 5251,1222 5252,1222 ; 5251,1223 5252,1223 ; 5251,1367 5252,1367 ; 5252,1219 5254,1219 ; 5252,1220 5253,1220 ; 5252,1221 5253,1221 ; 5252,1236 5281,1236 ; 5252,1351 5281,1351 ; 5252,1360 5256,1360 ; 5254,1205 5279,1205 ; 5254,1221 5255,1221 ; 5254,1222 5255,1222 ; 5254,1223 5255,1223 ; 5254,1224 5255,1224 ; 5254,1361 5257,1361 ; 5254,1382 5278,1382 ; 5255,1235 5277,1235 ; 5256,1352 5279,1352 ; 5257,1220 5259,1220 ; 5257,1221 5259,1221 ; 5257,1247 5263,1247 ; 5257,1248 5261,1248 ; 5257,1249 5261,1249 ; 5257,1250 5260,1250 ; 5257,1251 5261,1251 ; 5257,1252 5261,1252 ; 5258,1219 5259,1219 ; 5258,1222 5259,1222 ; 5258,1223 5263,1223 ; 5258,1246 5262,1246 ; 5259,1218 5263,1218 ; 5259,1303 5262,1303 ; 5260,1304 5264,1304 ; 5261,1219 5263,1219 ; 5261,1220 5263,1220 ; 5262,1222 5263,1222 ; 5262,1250 5264,1250 ; 5262,1251 5264,1251 ; 5263,1248 5264,1248 ; 5263,1249 5264,1249 ; 5263,1305 5266,1305 ; 5264,1204 5265,1204 ; 5264,1246 5270,1246 ; 5264,1252 5269,1252 ; 5264,1306 5268,1306 ; 5265,1247 5270,1247 ; 5265,1248 5271,1248 ; 5265,1251 5268,1251 ; 5266,1218 5268,1218 ; 5266,1219 5270,1219 ; 5266,1220 5269,1220 ; 5266,1221 5269,1221 ; 5266,1222 5270,1222 ; 5266,1223 5267,1223 ; 5266,1233 5267,1233 ; 5266,1249 5270,1249 ; 5266,1250 5268,1250 ; 5266,1383 5267,1383 ; 5267,1204 5268,1204 ; 5267,1307 5270,1307 ; 5268,1308 5272,1308 ; 5269,1218 5271,1218 ; 5269,1223 5270,1223 ; 5269,1250 5277,1250 ; 5271,1251 5274,1251 ; 5271,1309 5274,1309 ; 5271,1329 5287,1329 ; 5271,1330 5289,1330 ; 5271,1332 5293,1332 ; 5272,1246 5274,1246 ; 5272,1247 5275,1247 ; 5272,1249 5277,1249 ; 5272,1252 5275,1252 ; 5272,1310 5276,1310 ; 5272,1311 5277,1311 ; 5272,1312 5280,1312 ; 5272,1313 5281,1313 ; 5272,1314 5274,1314 ; 5272,1315 5273,1315 ; 5272,1316 5273,1316 ; 5272,1317 5273,1317 ; 5272,1318 5273,1318 ; 5272,1319 5273,1319 ; 5272,1320 5273,1320 ; 5272,1321 5274,1321 ; 5272,1322 5274,1322 ; 5272,1323 5275,1323 ; 5272,1324 5277,1324 ; 5272,1325 5279,1325 ; 5272,1326 5281,1326 ; 5272,1327 5283,1327 ; 5272,1328 5285,1328 ; 5272,1331 5291,1331 ; 5273,1248 5276,1248 ; 5274,1219 5275,1219 ; 5274,1220 5275,1220 ; 5274,1221 5275,1221 ; 5274,1222 5275,1222 ; 5274,1223 5275,1223 ; 5275,1224 5277,1224 ; 5275,1246 5276,1246 ; 5275,1251 5277,1251 ; 5276,1209 5295,1209 ; 5276,1218 5277,1218 ; 5276,1247 5278,1247 ; 5276,1378 5295,1378 ; 5277,1223 5279,1223 ; 5278,1219 5279,1219 ; 5278,1220 5279,1220 ; 5278,1221 5279,1221 ; 5278,1222 5279,1222 ; 5278,1248 5305,1248 ; 5278,1252 5292,1252 ; 5279,1246 5302,1246 ; 5279,1247 5303,1247 ; 5279,1249 5305,1249 ; 5279,1250 5307,1250 ; 5279,1251 5308,1251 ; 5280,1365 5281,1365 ; 5280,1366 5282,1366 ; 5281,1224 5284,1224 ; 5281,1225 5283,1225 ; 5281,1314 5284,1314 ; 5281,1358 5287,1358 ; 5281,1367 5290,1367 ; 5281,1377 5298,1377 ; 5282,1210 5298,1210 ; 5282,1221 5283,1221 ; 5282,1222 5283,1222 ; 5282,1223 5283,1223 ; 5282,1315 5285,1315 ; 5282,1368 5283,1368 ; 5283,1219 5284,1219 ; 5283,1220 5284,1220 ; 5283,1359 5285,1359 ; 5283,1360 5286,1360 ; 5283,1361 5286,1361 ; 5283,1363 5284,1363 ; 5283,1364 5285,1364 ; 5283,1365 5285,1365 ; 5284,1223 5285,1223 ; 5284,1316 5288,1316 ; 5285,1221 5288,1221 ; 5285,1222 5286,1222 ; 5285,1362 5286,1362 ; 5285,1368 5288,1368 ; 5286,1220 5287,1220 ; 5286,1223 5288,1223 ; 5286,1224 5287,1224 ; 5286,1225 5287,1225 ; 5286,1226 5287,1226 ; 5286,1317 5289,1317 ; 5286,1363 5288,1363 ; 5286,1364 5288,1364 ; 5286,1365 5288,1365 ; 5286,1369 5288,1369 ; 5286,1370 5287,1370 ; 5287,1211 5301,1211 ; 5287,1222 5288,1222 ; 5287,1366 5288,1366 ; 5287,1376 5301,1376 ; 5288,1318 5292,1318 ; 5290,1212 5303,1212 ; 5290,1223 5295,1223 ; 5290,1224 5291,1224 ; 5290,1225 5291,1225 ; 5290,1226 5291,1226 ; 5290,1227 5291,1227 ; 5290,1319 5292,1319 ; 5290,1365 5292,1365 ; 5290,1366 5292,1366 ; 5290,1375 5303,1375 ; 5291,1306 5293,1306 ; 5291,1308 5293,1308 ; 5291,1309 5293,1309 ; 5291,1310 5293,1310 ; 5291,1311 5293,1311 ; 5291,1312 5293,1312 ; 5291,1313 5293,1313 ; 5291,1314 5293,1314 ; 5291,1315 5293,1315 ; 5291,1316 5292,1316 ; 5291,1317 5292,1317 ; 5292,1222 5293,1222 ; 5292,1228 5294,1228 ; 5292,1269 5321,1269 ; 5292,1270 5321,1270 ; 5292,1271 5321,1271 ; 5292,1272 5323,1272 ; 5292,1273 5322,1273 ; 5292,1274 5323,1274 ; 5292,1275 5323,1275 ; 5292,1276 5323,1276 ; 5292,1277 5323,1277 ; 5292,1278 5325,1278 ; 5292,1279 5324,1279 ; 5292,1280 5324,1280 ; 5292,1281 5325,1281